# Altium PCB RelayTesterggf.PcbDoc (part 1 of 2) (continued)
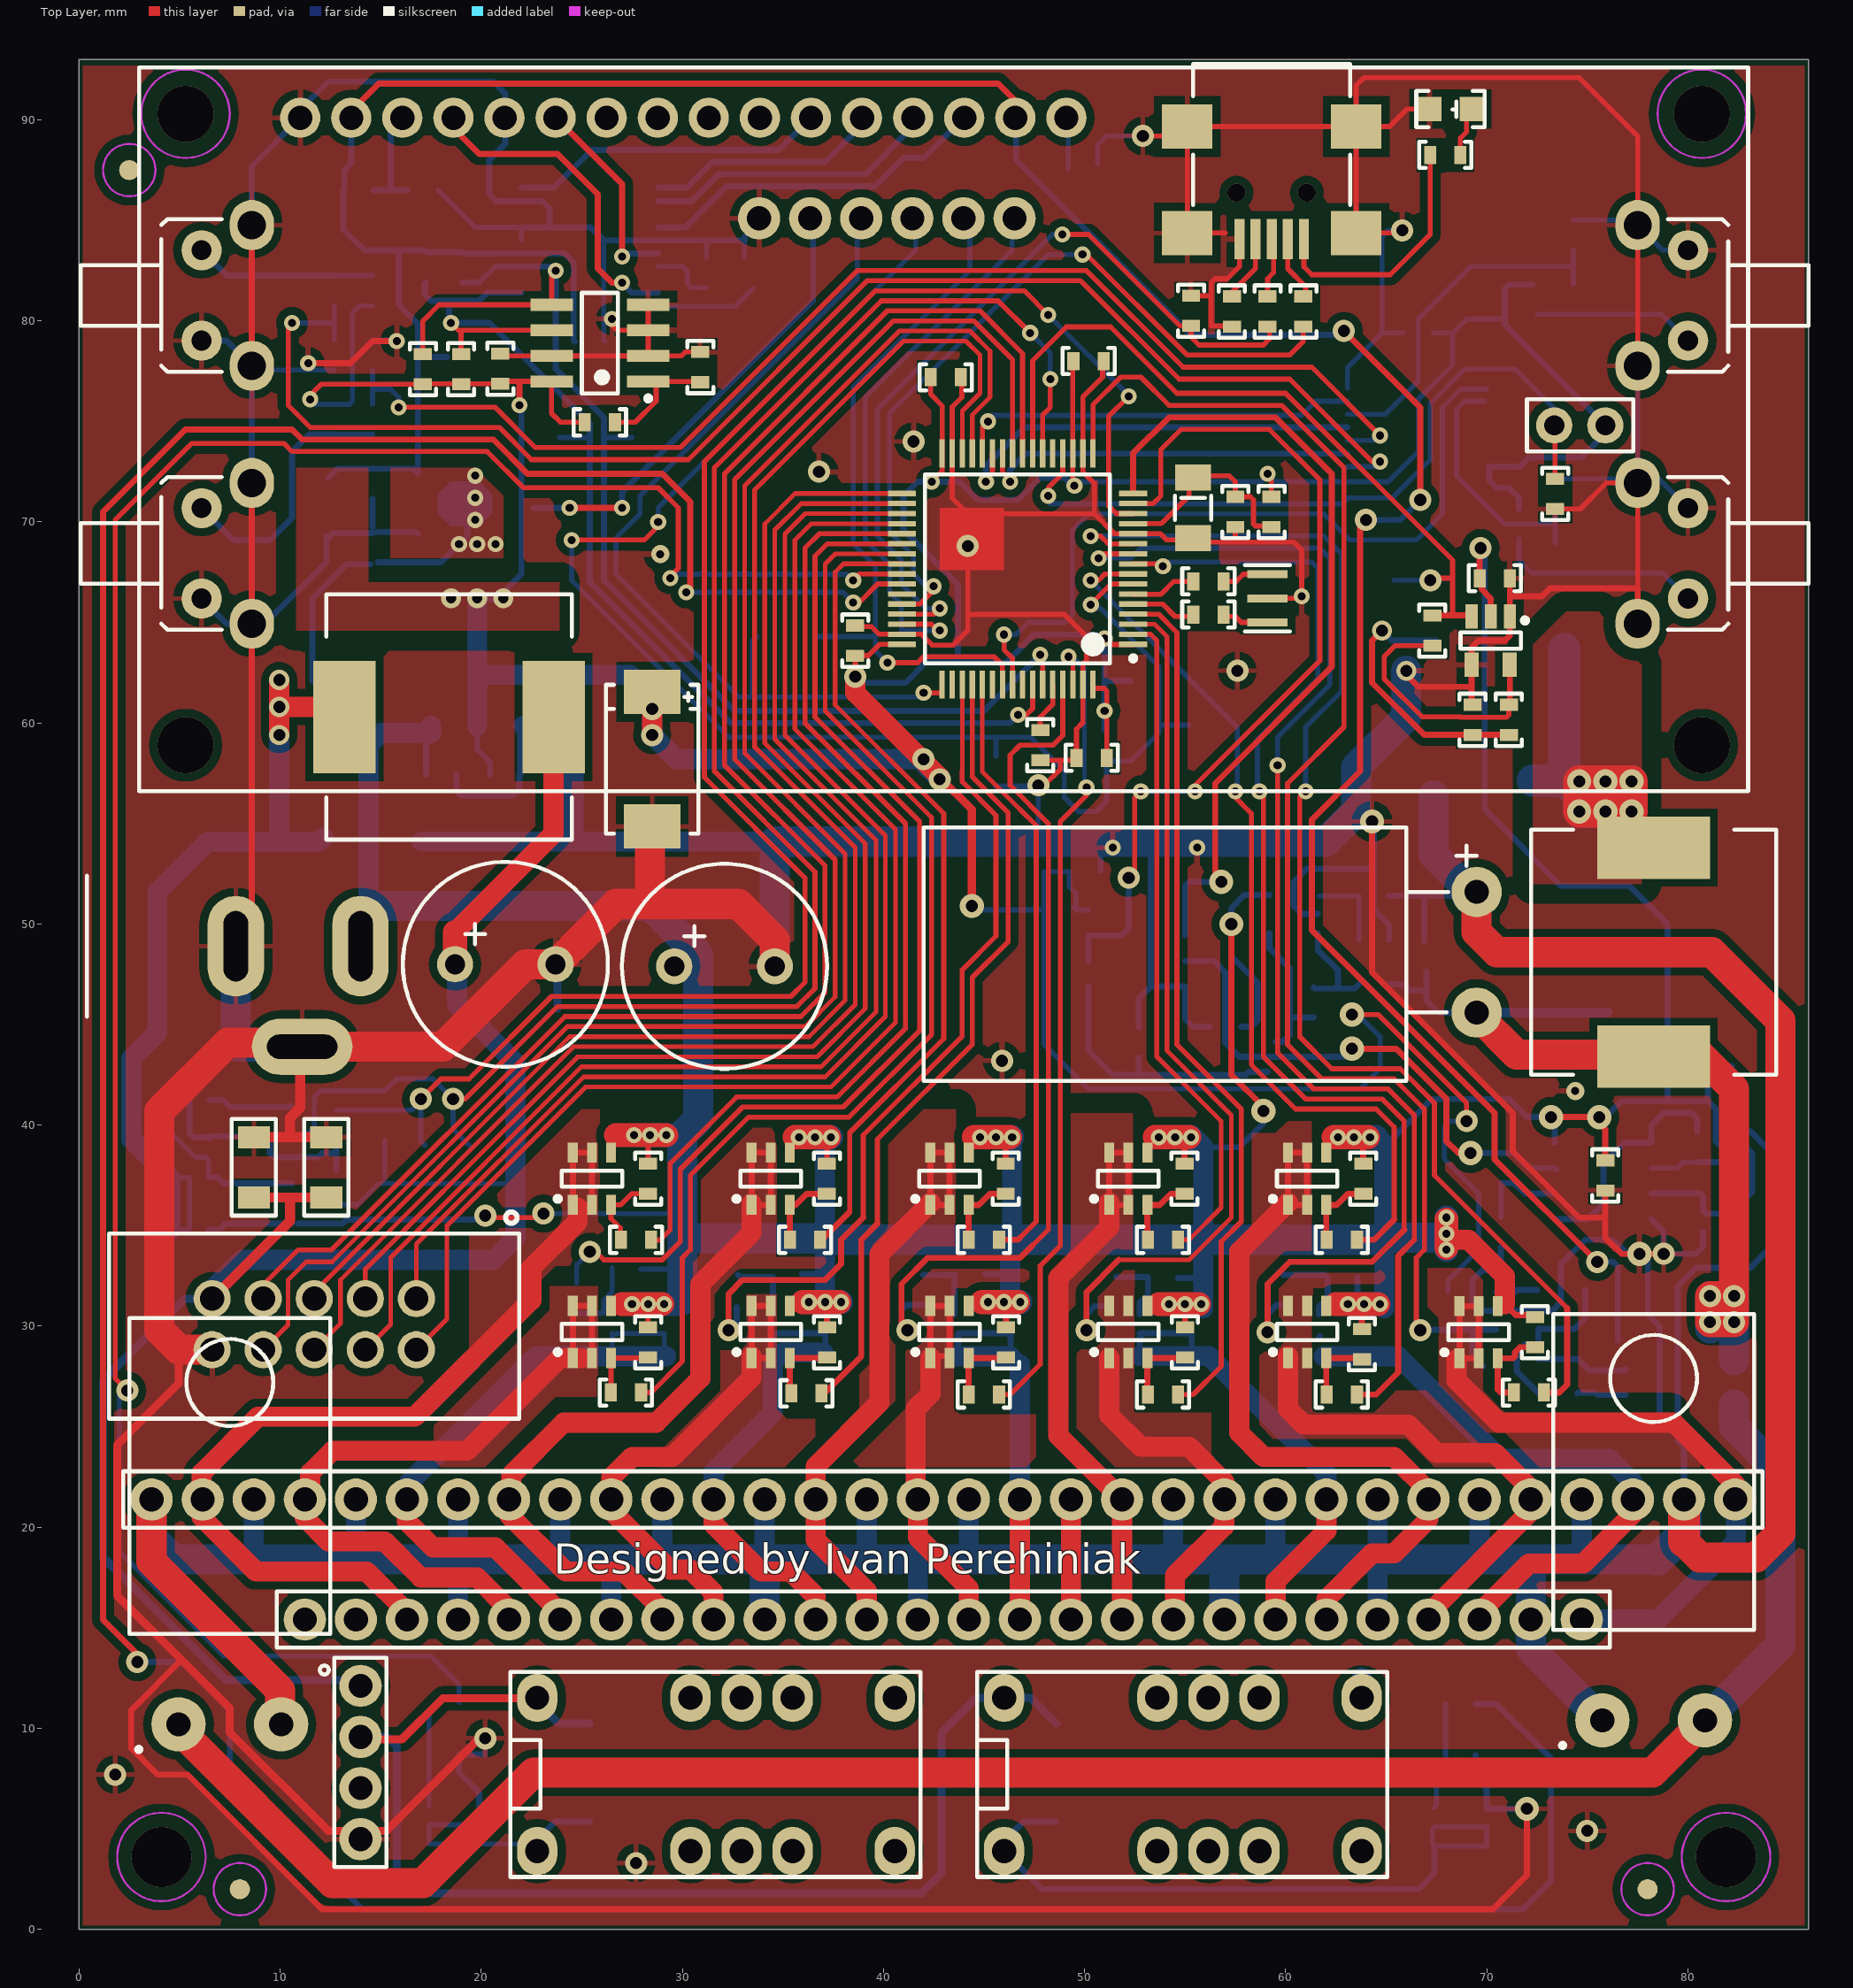
[diagram p0: Top Layer view]
## Footprints (in the part's own frame and the unit in brackets; to place one, negate y for a bottom-side part, rotate by r counter-clockwise, add the part's x,y. Pads: shape width x height; smd on the part's side, far side on the other; paste and mask are expansions set on the pad) (continued)
CSTCE_V [mm]
  rect 0.4x2 smd: 1(-1.2,0) 2(0,0) 3(1.2,0)
  silkscreen extent -1.65,-1.13 1.65,1.13, body extent -1.6,-0.67 1.6,0.63, height 1.02
DISPLAY1602 [mm]
  round 2 hole 1.2: 1(-32,15.5) 2(-29.46,15.5) 3(-26.92,15.5) 4(-24.38,15.5) 5(-21.84,15.5) 6(-19.3,15.5) 7(-16.76,15.5) 8(-14.22,15.5) 9(-11.68,15.5) 10(-9.14,15.5) 11(-6.6,15.5) 12(-4.06,15.5) 13(-1.52,15.5) 14(1.02,15.5) 15(3.56,15.5) 16(6.1,15.5)
  silkscreen extent -40,-18 40,18, body extent -40.1,-18.02 40.15,17.98, height 18.4
L0603 [mm]
  rect 0.6x0.9 smd: 1(-0.75,0) 2(0.75,0)
  silkscreen extent -1.3,-0.65 1.3,0.65, body extent -0.8,-0.4 0.8,0.4, height 0.8
LED0805 [mm]
  rect 1.2x1.2 smd: 1(-1.05,0) 2(1.05,0)
  silkscreen extent -1.7,-0.9 1.7,0.9, body extent -1,-0.62 1,0.63, height 0.64
MiniUSB [mm]
  rect 0.5x2 smd: 1(-1.6,3.8) 2(-0.8,3.8) 3(0,3.8) 4(0.8,3.8) 5(1.6,3.8)
  rect 2.5x2.2 smd: 5(-4.2,3.5) 5(-4.2,-1.8) 5(4.2,3.5) 5(4.2,-1.8)
  silkscreen extent -3.9,-4.9 3.9,2.1, body extent -4.95,-4.9 4.95,4.1, height 4.7
PLD10-2 [mm]
  round 1.85 hole 1.2: 1(-5.08,-1.27) 2(-5.08,1.27) 3(-2.54,-1.27) 4(-2.54,1.27) 5(0,-1.27) 6(0,1.27) 7(2.54,-1.27) 8(2.54,1.27) 9(5.08,-1.27) 10(5.08,1.27)
  silkscreen extent -10.2,-5.58 10.2,4.7, body extent -10.15,-4.4 10.15,4.7, height 10.6
PLS-2 [mm]
  round 1.8 hole 1 paste+0: 1(-2.54,0) 2(0,0)
  silkscreen extent -3.9,-1.3 1.4,1.3, body extent -3.84,-1.27 1.24,1.27, height 8.7
PLS-4 [mm]
  round 2.1 hole 1.2: 1(-3.81,0) 2(-1.27,0) 3(1.27,0) 4(3.81,0)
  silkscreen extent -5.2,-2.02 5.2,1.3, body extent -5.08,-1.27 5.08,1.27, height 8.7
PLS-6 [mm]
  round 2.1 hole 1.2: 1(-7.62,0) 2(-5.08,0) 3(-2.54,0) 4(0,0) 5(2.54,0) 6(5.08,0)
  silkscreen extent -9,-2.22 6.5,1.3, body extent -8.83,-1.27 6.4,1.29, height 8.7
PLS-26female [mm]
  round 2.1 hole 1.2: 1(0,0) 2(2.54,0) 3(5.08,0) 4(7.62,0) 5(10.16,0) 6(12.7,0) 7(15.24,0) 8(17.78,0) 9(20.32,0) 10(22.86,0) 11(25.4,0) 12(27.94,0) 13(30.48,0) 14(33.02,0) 15(35.56,0) 16(38.1,0) 17(40.64,0) 18(43.18,0) 19(45.72,0) 20(48.26,0) 21(50.8,0) 22(53.34,0) 23(55.88,0) 24(58.42,0) 25(60.96,0) 26(63.5,0)
  silkscreen extent -1.4,-1.4 64.9,1.4, body extent -1.27,-1.27 64.77,1.27, height 3.4
PLS-32female [mm]
  round 2.1 hole 1.2: 1(0,0) 2(2.54,0) 3(5.08,0) 4(7.62,0) 5(10.16,0) 6(12.7,0) 7(15.24,0) 8(17.78,0) 9(20.32,0) 10(22.86,0) 11(25.4,0) 12(27.94,0) 13(30.48,0) 14(33.02,0) 15(35.56,0) 16(38.1,0) 17(40.64,0) 18(43.18,0) 19(45.72,0) 20(48.26,0) 21(50.8,0) 22(53.34,0) 23(55.88,0) 24(58.42,0) 25(60.96,0) 26(63.5,0) 27(66.04,0) 28(68.58,0) 29(71.12,0) 30(73.66,0) 31(76.2,0) 32(78.74,0)
  silkscreen extent -1.4,-1.4 80.1,1.4, body extent -1.27,-1.27 80.01,1.27, height 3.4
PowerJack5.5x2.1 [mm]
  oval 2.8x5 hole 1.2 slot 3.5 at 90 deg: 1(0,0) 2(6.2,0)
  oval 5x2.8 hole 1.2 slot 3.5 at 0 deg: 1(3.3,-5)
  silkscreen extent -7.4,-3.5 -7.4,3.5, body extent -7.4,-5.3 7,4.1, height 11.05
R0603 [mm]
  rect 0.6x0.9 smd: 1(-0.75,0) 2(0.75,0)
  silkscreen extent -1.3,-0.65 1.3,0.65, body extent -0.8,-0.4 0.8,0.4, height 0.45
R0805 [mm]
  rect 0.8x1.3 smd: 1(-1,0) 2(1,0)
  silkscreen extent -1.7,-0.9 1.7,0.9, body extent -1,-0.63 1,0.62, height 0.6
R1206 [mm]
  rect 1.1x1.6 smd: 1(-1.5,0) 2(1.5,0)
  silkscreen extent -2.4,-1.1 2.4,1.1, body extent -1.6,-0.8 1.6,0.8, height 0.6
RelaySocket16Pin [mm]
  oval 2x2.4 hole 1.2 unplated: 1(-10.16,-3.81) 2(-2.54,-3.81) 3(0,-3.81) 4(2.54,-3.81) 5(7.62,-3.81) 6(7.62,3.81) 7(2.54,3.81) 8(0,3.81) 9(-2.54,3.81) 10(-10.16,3.81)
  silkscreen extent -11.5,-5.1 8.9,5.1, body extent -11.46,-5.06 8.86,5.1, height 4.19
SMA [mm] "4007 diode(in SMD pack)"
  rect 2x2.3 smd: 1(-2.44,0) 2(2.44,0)
  silkscreen extent -1,-1.3 1,1.3, body extent -2.8,-1.47 2.8,1.48, height 2.7
SOD323 [mm] "diode(in SMD pack)"
  rect 0.65x0.45 smd: 1(-1.2,0) 2(1.2,0)
  silkscreen extent -0.8,-0.7 0.9,0.7, body extent -1.3,-0.67 1.3,0.68, height 1.1
SOIC_N [mm] "SOIC, 8-Leads, Body 4.9x3.9mm, Pitch 1.27mm, IPC Medium Density"
  rect 2.1x0.6 smd: 1(-2.4,1.905) 2(-2.4,0.635) 3(-2.4,-0.635) 4(-2.4,-1.905) 5(2.4,-1.905) 6(2.4,-0.635) 7(2.4,0.635) 8(2.4,1.905)
  silkscreen extent -2.53,-2.5 0.9,2.88, body extent -2.9,-2.4 2.9,2.4, height 1.75
SOT23-5 [mm] "SOT23, 5-Leads, Body 2,90x2,85mm, Pitch 0,95mm, IPC Medium Density"
  rect 1.2x0.6 smd: 1(-1.2,0.95) 2(-1.2,0) 3(-1.2,-0.95)
  rect 1.2x0.7 smd: 4(1.2,-0.95) 5(1.2,0.95)
  silkscreen extent -1.13,-1.5 0.4,1.82, body extent -1.5,-1.5 1.5,1.5, height 1.2
"SOT23-6 - MOSFET" [mm] "SOT23, 6-Leads, Body 2,90x2,85mm, Pitch 0,95mm, IPC Medium Density"
  rect 1x0.5 smd: 1(-1.3,-0.95) 2(-1.3,0) 2(-1.3,0.95) 2(1.3,0) 2(1.3,0.95) 3(1.3,-0.95)
  silkscreen extent -1.12,-1.5 0.4,1.82, body extent -1.21,-1.4 1.21,1.4, height 1.09
"SOT23-6 - mosfet" [mm] "SOT23, 6-Leads, Body 2,90x2,85mm, Pitch 0,95mm, IPC Medium Density"
  rect 1x0.5 smd: 1(-1.3,-0.95) 2(-1.3,0) 2(-1.3,0.95) 2(1.3,0) 2(1.3,0.95) 3(1.3,-0.95)
  silkscreen extent -1.12,-1.5 0.4,1.82, body extent -1.21,-1.4 1.21,1.4, height 1.09
SOT89-3 [mm] "SOT89, 3-Leads, Body 4,50x2,50mm, Pitch 1,50mm, Lead Span 3,6mm, IPC Medium Density"
  rect 2x0.9 smd: 1(-1.35,1.5) 3(-1.35,-1.5)
  rect 2x0.96 smd: 2(-1.35,0)
  Top Layer region: -0.35,0.48 0.285,1.115 1.715,1.115 2.35,0.48 2.35,-0.48 1.715,-1.115 0.285,-1.115 -0.35,-0.48
  silkscreen extent -1.58,-2.35 1.9,2.62, body extent -1.85,-2.35 2.15,2.35, height 1.6
SOT-23 [mm]
  rect 0.8x0.9 smd: 1(-0.95,-1) 2(0.95,-1) 3(0,1)
  silkscreen extent -1.6,-0.8 1.6,0.6, body extent -1.5,-1.35 1.5,1.15, height 1.1
SOT-223 [mm]
  rect 1.5x2 smd: 1(-2.3,-3.15) 2(0,-3.15) 3(2.3,-3.15)
  rect 3.8x2 smd: 2(0,3.15)
  silkscreen extent -3.3,-1.8 3.3,1.8, body extent -3.25,-3.58 3.25,3.38, height 1.65
SSOP14 [mm] "SOP, 14-Leads, Body 6,20x5,30mm, Pitch 0,65mm, IPC Medium Density"
  rect 1.65x0.4 smd: 1(-3.525,1.95) 2(-3.525,1.3) 3(-3.525,0.65) 4(-3.525,0) 5(-3.525,-0.65) 6(-3.525,-1.3) 7(-3.525,-1.95) 8(3.525,-1.95) 9(3.525,-1.3) 10(3.525,-0.65) 11(3.525,0) 12(3.525,0.65) 13(3.525,1.3) 14(3.525,1.95)
  silkscreen extent -3.65,-3.2 2.3,3.2, body extent -3.88,-3.2 3.88,3.2, height 2
SSOP-20N [mm] "TSOP, 20-Leads, Body 6,50x4,40mm, Pitch 0,65mm, IPC Medium Density"
  rect 1.6x0.43 smd: 1(-3.4,2.95) 10(-3.4,-2.95) 11(3.4,-2.95) 20(3.4,2.95)
  rect 1.6x0.38 smd: 2(-3.4,2.275) 3(-3.4,1.625) 4(-3.4,0.975) 5(-3.4,0.325) 6(-3.4,-0.325) 7(-3.4,-0.975) 8(-3.4,-1.625) 9(-3.4,-2.275) 12(3.4,-2.275) 13(3.4,-1.625) 14(3.4,-0.975) 15(3.4,-0.325) 16(3.4,0.325) 17(3.4,0.975) 18(3.4,1.625) 19(3.4,2.275)
  silkscreen extent -3.07,-3.3 1.85,3.82, body extent -3.2,-3.3 3.2,3.3, height 1.5
STM-LQFP64_V [mm] "Thin QFP, 64-Leads, Body 10x10mm, Pitch 0.5mm, ST Recommended"
  rect 1.4x0.27 smd: 1(-5.75,3.75) 2(-5.75,3.25) 3(-5.75,2.75) 4(-5.75,2.25) 5(-5.75,1.75) 6(-5.75,1.25) 7(-5.75,0.75) 8(-5.75,0.25) 9(-5.75,-0.25) 10(-5.75,-0.75) 11(-5.75,-1.25) 12(-5.75,-1.75) 13(-5.75,-2.25) 14(-5.75,-2.75) 15(-5.75,-3.25) 16(-5.75,-3.75) 33(5.75,-3.75) 34(5.75,-3.25) 35(5.75,-2.75) 36(5.75,-2.25) 37(5.75,-1.75) 38(5.75,-1.25) 39(5.75,-0.75) 40(5.75,-0.25) 41(5.75,0.25) 42(5.75,0.75) 43(5.75,1.25) 44(5.75,1.75) 45(5.75,2.25) 46(5.75,2.75) 47(5.75,3.25) 48(5.75,3.75)
  rect 0.27x1.4 smd: 17(-3.75,-5.75) 18(-3.25,-5.75) 19(-2.75,-5.75) 20(-2.25,-5.75) 21(-1.75,-5.75) 22(-1.25,-5.75) 23(-0.75,-5.75) 24(-0.25,-5.75) 25(0.25,-5.75) 26(0.75,-5.75) 27(1.25,-5.75) 28(1.75,-5.75) 29(2.25,-5.75) 30(2.75,-5.75) 31(3.25,-5.75) 32(3.75,-5.75) 49(3.75,5.75) 50(3.25,5.75) 51(2.75,5.75) 52(2.25,5.75) 53(1.75,5.75) 54(1.25,5.75) 55(0.75,5.75) 56(0.25,5.75) 57(-0.25,5.75) 58(-0.75,5.75) 59(-1.25,5.75) 60(-1.75,5.75) 61(-2.25,5.75) 62(-2.75,5.75) 63(-3.25,5.75) 64(-3.75,5.75)
  silkscreen extent -5.87,-4.7 4.6,4.7, body extent -6.07,-6.07 6.07,6.07, height 1.62
SW_TACT_HOR [mm]
  oval 2.2x2.5 hole 1.4: 1(2.5,3.5) 3(2.5,-3.5)
  round 2 hole 1: 2(0,2.25) 4(0,-2.25)
  silkscreen extent -6,-3.8 1,3.8, body extent -8.37,-4.18 4.1,4.18, height 7.37
TO-220-2-hor [mm] "TO-220, 3x0.8 , P-2.54"
  round 2.7 hole 1.2: 1(-2.55,0) 2(2.55,0)
  silkscreen extent -5,-1.35 5,20.2, body extent -5,-0.4 5,20.2, height 1.22

## Part data
C1 C2 C3 C4 C5 C6 C7 C10 C12 C13 C14 C17 C18 C19 C20 C21 C22 C24 C25 C26 C28 C30 C31: library part GMK316F475ZG-T, "CAP CER 0.1UF 50V X7R 0603"
C8: library part EEU-FC1V221L, "CAP ALUM 220UF 20% 35V RADIAL"
C9 C27: library part T491A475K010AT, "CAP TANT 4.7UF 10V 10% 1206"
C11: library part CE-1000/16PHT-Y, "CAP ALUM 1000UF 20% 16V RADIAL"
C15: library part TAJD476K025RNJ, "CAP TANT 47UF 25V 10% 2917"
C16: library part UVR1C332MHD, "CAP ALUM 3300UF 20% 16V RADIAL"
C23 C29: library part CL10B202KB8NNNC, "CAP CER 2000PF 50V X7R 0603"
C32: library part GRM188R71E105KA12D, "CAP CER 1UF 25V X7R 0603"
D1 D2: "DIODE SCHOTTKY 5A 40V SMA"
D3 D4: library part ES1J-LTP, "DIODE GEN PURP 600V 1A DO214AC"
D5: library part 1N4148WX-TP, "DIODE GEN PURP 75V 150MA SOD323"
DA1 DA3: library part LM358DT, "Dual IC OPAMP GP 1.1MHZ 8SO"
DA2: library part LMV321ILT, "IC OPAMP GP 1.3MHZ RRO SOT23-5"
DA4: "IC OPAMP GP 1.3MHZ RRO SOT23-5"
IC1: library part MCP1416T-E/OT, "IC MOSFET DVR 1.5A HS SOT23-5"
IC3: library part NCP1117ST33T3G, "IC REG LINEAR 3.3V 1A SOT223"
IC4: library part M24C32-WMN6TP, "IC EEPROM 32KBIT 400KHZ 8SO"
IC5: library part MC74HC14ADR2G, "IC INVERTER HEX SCHMITT 14SOIC"
IC6: library part PCF8574APWR, "IC I/O EXPANDER I2C 8B 20TSSOP"
IC7: library part KA79L05AMTF, "IC REG LINEAR -5V 100MA SOT89-3"
IC8: library part ACS712ELCTR-05B, "SENSOR CURRENT HALL 5A AC/DC"
L1: library part BLM18TG601TN1D, "FERRITE BEAD 600 OHM 0603 1LN"
L2: library part DE1207-470, "FIXED IND 470UH 1A 741 MOHM SMD"
L3: library part DE1209-22, "FIXED IND 22UH 5A 39 MOHM SMD"
LCD1: library part Display1602, "DISP 1602 THT"
LED1: library part "LG R971-KN-1", "LED GREEN DIFFUSED 0805 SMD"
Q1: library part CSTCE8M00G55Z-R0, "CER RES 8.0000MHZ 33PF SMD"
R1 R62 R81: library part ERJ-3GEYJ102V, "RES SMD 1K OHM 5% 1/10W 0603"
R2 R13 R14 R80 R82: library part CRCW060310K0FKTABC, "RES SMD 10K OHM 1% 1/10W 0603"
R3 R4 R7: library part CRCW060322R0FKEA, "RES SMD 22 OHM 1% 1/10W 0603"
R5 R9 R10 R12 R26 R27 R28 R29 R40 R41 R42 R43 R44 R45 R46 R47 R48 R49 R50 R51 R56 R57 R58 R59 R68 R69 R70 R71 R77 R78 R83 R84 R85 R86: library part ERJ-S03J104V, "RES SMD 100K OHM 5% 1/10W 0603"
R6: library part CRCW06031K50JNTABC, "RES SMD 1K5 OHM 5% 1/10W 0603"
R8 R89: library part ERJ-S03J101V, "RES SMD 100 OHM 5% 1/10W 0603"
R11 R16 R20 R21 R31 R32 R33 R34 R60 R61 R72 R73 R90: library part ERJ-S03J103V, "RES SMD 10K OHM 5% 1/10W 0603"
R15 R17: library part CRCW06033K30FKTABC, "RES SMD 3.3K OHM 1% 1/10W 0603"
R18: library part CRCW06030000Z0EA, "RES SMD 0 OHM JUMPER 1/10W 0603"
R19: library part ERJ-3GEYJ221V, "RES SMD 220 OHM 5% 1/10W 0603"
R22 R23 R24 R25 R36 R37 R38 R39 R52 R53 R54 R55 R64 R65 R66 R67 R75 R76: library part RC0603JR-07150RL, "RES SMD 150 OHM 5% 1/10W 0603"
R30 R35: library part RTO050F4R700JTE3, "RES 4.7 OHM 50W 5% AXIAL"
R63: library part ERA-3AEB203V, "RES SMD 20K OHM 0.1% 1/10W 0603"
R74: library part ERJ-3GEYJ511V, "RES SMD 510 OHM 5% 1/10W 0603"
R79: library part CRCW06032K00FKTABC, "RES SMD 2K OHM 1% 1/10W 0603"
R87 R88: library part CRCW08051K50FKTABC, "RES SMD 1.5K OHM 1% 1/8W 0805"
R91 R92 R93 R94: library part ERJ-8GEYJ102V, "RES SMD 1K OHM 5% 1/4W 1206"
S1 S2 S3 S4: "SWITCH TACTILE HOR SPST-NO 0.05A 12V"
T1: "MOSFET N-CH 30V 11A 8-SOIC"
T2: library part IRLML2402TRPBF, "MOSFET N-CH 20V 1.2A SOT-23"
T3 T4 T5 T6 T7 T8 T9 T10 T11 T12 T13 T14 T15 T16 T17 T18 T19: library part BSL207SPH6327XTSA1, "MOSFET P-CH 20V 6A 6TSOP"
T20 T21: "MOSFET N-CH 30V 8.2A 6TSOP"
U1: "IC MCU 32BIT 256KB FLASH 64LQFP"
XT1: "CONN RECEPT MINI USB2.0 5POS"
XT2 XT3 XT7 XT8: "SIL VERTICAL PC TAIL PIN HEADER"
XT4 XT5: "REL SOCKET UNI 7.62x2.54 PITCH"
XT6: "DIL VERTICAL PC TAIL PIN HEADER"
XT9: "CONN HEADER 6POS .100 STR TIN"
XT10: "CONN HEADER 4POS .100 STR TIN"

## Free pads (board coordinates)
  round 1 smd paste+0 mask+0.5: 2(2.5,87.5) 2(8,2) 2(78,2)
  round 1 smd far side paste+0 mask+0.5: 2(2.5,87.5) 2(8,2) 2(78,2)
  round 1.6 smd far side: 2(5.7,54) 2(17.2,39) 2(18.3,78.2) 2(19.4,39) 2(22.6,70.7) 2(23.8,45.8) 2(23.9,74.2) 2(27.5,74.2) 2(33.7,64.3) 2(36.8,64.3) 2(45.9,68.8) 2(52.3,62.1) 2(53.9,56.6) 2(54.9,52.1) 2(55.2,59.9) 2(65.4,67.1) 2(69.8,28)
  round 1.4 smd far side: 2(40.9,64.4)

## Via types
v1: diameter 0.8, hole 0.4, Top Layer to Bottom Layer, tented both sides, 99 vias
v2: diameter 1.1, hole 0.6, Top Layer to Bottom Layer, tented both sides, 42 vias
v3: diameter 1.2, hole 0.6, Top Layer to Bottom Layer, tented both sides, 18 vias
v4: diameter 1, hole 0.6, Top Layer to Bottom Layer, tented both sides, 5 vias
v5: diameter 2.8, hole 2.8, Top Layer to Bottom Layer, 4 vias
v6: diameter 1, hole 0.5, Top Layer to Bottom Layer, 3 vias
v7: diameter 0.9, hole 0.9, Top Layer to Bottom Layer, 2 vias
v8: diameter 0.9, hole 0.4, Top Layer to Bottom Layer, tented both sides, 2 vias
v9: diameter 3, hole 3, Top Layer to Bottom Layer, tented both sides, 2 vias

## Nets (pads, with @x,y where several pads share a name; then routed paths per layer and width w, separated by ;. In a path a pad name is that pad's centre, name@x,y a point inside that pad or via, vN(x,y) a via of type N, cw(c..) or ccw(c..) an arc to the next point about the centre after c; other vN are vias at no path point)
+5V: C25.2 C26.2 C27.1 C28.2 IC6.5 IC7.3 IC8.8 LCD1.2 LCD1.15 pad.2@18.3,78.2 R60.2 R61.2 R80.2 | length 158.5
  Top Layer w0.3: LCD1.2@13.54,90.1 13.54,90.44 14.9,91.8 45.7,91.8 46.6,90.9 46.6,90.14 LCD1.15@46.56,90.1 ; v2(62.9,79.5) 66.7,75.7 v2(66.7,71.1) ; v2@64.1,70.4 63.7,70 63.7,57.6 61.3,55.2 61.3,49.7 70.4,40.6 70.4,38.3 v2(75.5,33.2)
  Bottom Layer w0.3: C27.1@12.4,72.2 12.85,72.65 C25.2@14.6,72.65 16.6,72.65 IC7.3@16.85,72.4 16.85,78.2 ; LCD1.2@13.54,90.1 13.54,87.84 13.2,87.5 13.2,86.55 R80.2@13.15,86.5 13.15,84.55 14.2,83.5 16,83.5 ; pad.2@18.3,78.2 16.85,78.2 ; C26.2@24.65,78.979 24.6,79.029 24.6,82.9 24.147,83.353 IC6.5@22,83.353 19.109,83.353 R61.2@19.05,83.412 R60.2@17.272,83.412 17.184,83.5 16,83.5 ; LCD1.15@46.6,89.7 46.6,88 55.3,79.3 v2@63,79.3 ; v2(64,70.1) 65.7,70.1 v2(66.7,71.1) ; v2(75.5,33.2) 76.3,33.2 76.52,32.98 C28.2@76.52,31.785 IC8.8@76.52,29.3 ; 16,83.5 15.9,83.4 15.9,80.8 16.85,79.85 16.85,78.2
BUT1: IC5.2 U1.26 | length 19.3
  Top Layer w0.25: U1.26@45.921,73.414 45.921,72.479 46.3,72.1 v1(46.3,72)
  Bottom Layer w0.3: v1(46.3,72) 46.3,72.6 47.1,73.4 IC5.2@63.075,73.4
BUT2: IC5.4 U1.27 | length 21.1
  Top Layer w0.25: v1(45.1,72) 45.1,72.1 45.421,72.421 U1.27@45.421,73.414
  Bottom Layer w0.3: v1(45.1,72) 45.1,72.8 47,74.7 IC5.4@63.075,74.7
BUT3: IC5.6 U1.28 | length 19.9
  Top Layer w0.25: U1.28@44.921,73.414 44.921,74.721 v1(45.2,75)
  Bottom Layer w0.25: v1@45.2,75.1 45.4,75.3 60.8,75.3 61.5,76 IC5.6@63.075,76
BUT4: IC5.8 U1.56 | length 38.4
  Top Layer w0.25: v1(46,64.4) 46,63.642 46.421,63.221 U1.56@46.421,61.914
  Bottom Layer w0.25: v1(46,64.4) 46.6,64.4 47.2,65 49,65 49.4,65.4 49.4,69.6 50.2,70.4 61.9,70.4 63.2,69.1 66.5,69.1 67.8,70.4 67.8,75.7 68.7,76.6 IC5.8@70,76.6
COILSUPPLY: C11.1 C14.2 L2.2 R13.1 R91.2 R92.2 XT6.9 XT10.1 | length 99
  Top Layer w0.5: XT6.9@6.62,31.37 10.5,35.25 10.5,36.4 ; R92.2@8.7,36.4 10.5,36.4 ; R91.2@12.3,36.4 10.5,36.4
  Top Layer w1: 18.7,49.6 23.6,54.5 L2.2@23.6,60.3
  Top Layer w1.2: C11.1@18.7,48 18.7,49.6
  Bottom Layer w0.25: C14.2@12.8,36.05 13.85,36.05 14.9,37.1 15.2,37.1 ; R13.1@15.2,39.25 15.2,37.1 ; 21.7,37.1 15.2,37.1
  Bottom Layer w0.3: XT10.1@14,12.4 XT10.1@14.4,12
  Bottom Layer w0.4: XT6.9@6.62,31.37 5.27,31.37 1.2,27.3 1.2,18.5 7.3,12.4 XT10.1@14,12.4
  Bottom Layer w1: XT6.9@6.62,31.37 6.62,31.82 8.1,33.3 20.6,33.3 21.7,34.4 21.7,37.1 21.7,43.1 18.8,46 C11.1@18.8,47.8
COILSUPPLY1: D3.2 D4.2 XT4.10 XT5.10 XT10.2 | length 63.9
  Top Layer w0.3: XT10.2@14,9.57 XT10.2@14.12,9.45 ; XT4.10@22.77,11.5 XT4.10@22.787,11.517
  Top Layer w0.4: XT10.2@14.12,9.45 16.05,9.45 18.1,11.5 XT4.10@22.77,11.5
  Bottom Layer w0.3: XT4.10@22.213,10.943 XT4.10@22.787,11.517 XT4.10@22.787,11.313
  Bottom Layer w0.4: XT10.2@14,9.57 15.33,9.57 15.8,9.1 15.8,2.8 16.8,1.8 41.9,1.8 42.9,2.8 42.9,9.8 44.617,11.517 XT5.10@46.003,11.517 47.323,11.517 D4.2@48.6,10.24 ; XT4.10@22.787,11.313 23.86,10.24 D3.2@25.4,10.24
COILVOLTMEAS: pad.2@17.2,39 R13.2 R15.2 U1.14 | length 90.4
  Top Layer w0.25: v2(17,41.3) 18,42.3 19.4,42.3 23.5,46.4 35.4,46.4 36.1,47.1 36.1,52.3 31.1,57.3 31.1,73 39.6,81.5 47,81.5 v1(48.2,80.3) ; v1(52.2,76.25) 51.2,75.25 51.2,70.8 51.586,70.414 U1.14@52.421,70.414
  Bottom Layer w0.25: R15.2@12.8,40.75 R13.2@15.2,40.75 16.55,40.75 v2@17,41.2 ; v2(17,41.3) v2@17,41.2 ; pad.2@17.2,39 17,39.2 v2@17,41.2 ; v1(48.2,80.3) 52.2,76.3 v1(52.2,76.25) v1@52.2,76.2
CURRENTMEAS1: DA3.1 DA3.2 pad.2@54.9,52.1 U1.16 | length 40.5
  Top Layer w0.3: U1.16@52.421,71.5 52.421,73.421 54.2,75.2 59.5,75.2 62.3,72.4 62.3,62.8 56.5,57 56.5,52.4 v3(56.8,52.1)
  Bottom Layer w0.3: DA3.2@55,49.435 DA3.1@55,50.705 55,51.9 55.2,52.1 v3@56.4,52.1
CURRENTMEAS2: DA2.3 DA2.4 pad.2@69.8,28 U1.17 | length 72.4
  Top Layer w0.25: U1.17@50.421,73.414 50.421,75.821 51.8,77.2 52.8,77.2 54.2,75.8 59.8,75.8 62.9,72.7 62.9,59.8 60.1,57 60.1,44 61.8,42.3 65.4,42.3 66.9,40.8 66.9,33.8 66.5,33.4 66.5,30 v2(66.7,29.8)
  Bottom Layer w0.3: v2(66.7,29.8) 66.719,29.819 DA2.4@68.069,29.819 69.3,29.819 ; pad.2@69.8,28 69.3,28.5 69.3,29.819 ; DA2.3@70.469,29.819 69.3,29.819
GND: C1.2 C2.1 C3.1 C4.1 C5.1 C6.1 C7.1 C8.2 C9.2 C10.1 C11.2 C12.1 C14.1 C15.2 C17.1 C18.1 C19.1 C20.1 C21.1 C22.1 C24.1 C25.1 C26.1 C27.2 C28.1 C29.1 C30.1 C31.1 C32.2 D1.1 DA1.4 DA2.2 DA3.4 DA4.2 IC1.1 IC1.4 IC3.1 IC4.2 IC4.3 IC4.4 IC4.7 IC5.7 IC6.6 IC6.7 IC6.9 IC6.15 IC7.1 IC8.5 LCD1.1 LCD1.5 LED1.2 pad.2@23.8,45.8 pad.2@45.9,68.8 Q1.2 R2.1 R5.2 R6.1 R9.1 R10.2 R11.1 R15.1 R16.2 R17.1 R51.2 R62.1 R72.1 R73.1 R74.2 R77.2 R78.2 R81.1 R82.1 R86.2 R91.1 R92.1 S1.1 S1.3 S1.4 S2.1 S2.3 S2.4 S3.1 S3.3 S3.4 S4.1 S4.3 S4.4 T1.1 T1.2 T1.3 T2.2 T20.3 T21.3 U1.12 U1.18 U1.31 U1.47 U1.63 XT1.5 XT3.1 XT6.10 XT9.6 XT10.4 | length 735.2
  Top Layer w0.25: C17.1@20.952,78.375 21.067,78.26 IC4.7@23.505,78.26 IC4.2@28.305,78.26 ; v1(26.5,80.1) 26.5,79.8 26.77,79.53 IC4.3@28.305,79.53 ; IC4.4@28.305,80.8 IC4.3@28.305,79.53 ; R11.1@30.9,78.45 30.15,78.45 29.96,78.26 IC4.2@28.305,78.26 ; C4.1@38.6,64.8 39.4,64.8 39.786,64.414 U1.47@40.921,64.414 41.886,64.414 42.425,63.875 43.475,63.875 44.2,64.6 44.2,65.4 ; C6.1@43.85,77.2 43.9,77.15 43.9,76.2 43.421,75.721 U1.31@43.421,73.414 43.421,71.179 44.2,70.4 ; v2(47.7,56.9) 48,56.9 48.8,57.7 48.8,58.15 ; R16.2@47.8,58.15 48.8,58.15 ; C3.1@50.9,78 50.9,77.2 49.921,76.221 U1.18@49.921,73.414 49.921,72.479 50.5,71.9 50.5,70.4 ; v2(52.9,89.2) XT1.5@55.109,89.2 ; R6.1@55.3,81.25 56.25,81.25 56.3,81.3 ; C9.2@55.8,69.6 C9.2@55.4,69.2 ; 57,84.369 XT1.5@55.109,84.369 XT1.5@55.109,89.2 ; R5.2@57.4,79.645 R5.2@57.327,79.718 57.295,79.75 56.3,79.75 56.3,81.3 ; C7.1@57.5,69.75 57.5,69 ; XT1.5@57.709,84.069 57.709,82.709 57.1,82.1 56.5,82.1 56.3,81.9 56.3,81.3 ; Q1.2@59.1,66.2 60.8,66.2 60.8,68.6 60.4,69 57.5,69 ; v2(65.8,84.5) 65.669,84.369 XT1.5@63.509,84.369 XT1.5@63.509,89.669 ; LED1.2@67.149,90.536 66.036,90.536 65.169,89.669 XT1.5@63.509,89.669 ; R2.1@73.4,70.65 74.65,70.65 75.938,71.938 S4.3@77.51,71.938 S4.1@77.51,64.938 ; S3.1@77.51,77.765 S3.3@77.51,84.765 77.51,89.19 74.6,92.1 63.9,92.1 63.509,91.709 XT1.5@63.509,89.669 ; S4.4@80.01,70.688 S4.4@80.506,71.184 ; IC4.2@28.305,78.26 IC4.3@28.305,79.53 ; 44.2,65.4 49,65.4 50.1,64.3 50.1,63.1 49.921,62.921 U1.63@49.921,61.914 49.921,60.021 49.6,59.7 49.6,58.27 C5.1@49.604,58.266 49.488,58.15 48.8,58.15 ; 44.2,65.4 44.2,70.4 ; 44.2,70.4 50.5,70.4 ; 50.5,70.4 51.486,69.414 U1.12@52.421,69.414 53.786,69.414 54.1,69.1 55.3,69.1 C9.2@55.4,69.2 ; XT1.5@55.109,89.2 XT1.5@55.109,89.669 XT1.5@63.509,89.669 ; C9.2@55.4,69.2 55.6,69 57.5,69
  Top Layer w0.3: 5.1,13.4 2.6,10.9 2.6,9 3.9,7.7 5.4,7.7 12.1,1 70.3,1 72,2.7 v3(72,6) ; XT3.1@7.8,48.3 8.596,49.096 S2.3@8.596,64.938 S2.1@8.596,71.938 ; S1.3@8.596,77.765 S1.1@8.596,84.765 ; v1(11.4,77.9) 13.5,77.9 14.6,79 v1(15.8,79) ; v3(64.3,55.1) 64.3,47.6 71.3,40.6 71.3,38.7 74.6,35.4 75.9,35.4 ; v4@66,62.4 66.6,61.8 69.25,61.8 ; R9.1@69.3,60.91 69.25,60.96 69.25,61.8 ; C1.2@71.25,67.2 71.15,67.1 71.15,66.3 ; C30.1@75.9,36.75 75.9,35.4 ; S4.1@77.51,65.9 77.51,66.7 73.14,66.7 72.74,66.3 71.15,66.3 ; v2(78.8,33.6) 76.7,33.6 75.9,34.4 75.9,35.4 ; 69.25,61.8 69.25,63.75 69.6,64.1 70.9,64.1 71.15,64.35 IC1.1@71.15,65.3 71.15,66.3
  Top Layer w0.4: 4.97,28.83 4.97,27.17 1.9,24.1 1.9,16.6 5.1,13.4 7.5,11 7.5,9.8 12.4,4.9 15.3,4.9 v2@19.9,9.5
  Top Layer w0.5: R92.1@8.7,39.4 10.5,39.4 ; XT3.1@11.1,43.9 10.5,43.3 10.9,43.3 11,43.2 11,40.875 10.5,40.375 10.5,39.4 ; R91.1@12.3,39.4 10.5,39.4
  Top Layer w1.5: XT6.10@6.62,28.83 4.97,28.83 4,29.8 4,40.7 7.4,44.1 11.5,44.1 11.7,43.9 18.1,43.9 22.2,48 C11.2@23.7,48 26.7,51 28.4,51 ; C15.2@28.4,54.5 28.4,51 ; C8.2@34.6,48.1 34.6,49.2 32.8,51 28.4,51
  Bottom Layer w0.25: S1.3@8.596,77.765 8.811,77.55 C19.1@12.7,77.55 ; R81.1@17.85,86.5 19.697,84.653 IC6.7@22,84.653 IC6.6@22,84.003 ; C11.2@23.7,48 C11.2@23.8,47.9 ; 26.1,84.003 26.1,79.029 C26.1@26.15,78.979 ; R73.1@31.2,83.15 31.2,83.903 ; R72.1@33.097,83.177 33.097,84.003 ; v2(44.2,68.8) pad.2@45.9,68.8 ; v2(47.7,56.9) 47.7,54.4 48,54.1 ; R74.2@50.65,87.8 50.65,88.75 51.1,89.2 v2(52.9,89.2) ; IC5.7@63.075,76.65 63.075,77.675 64.8,79.4 ; v2(65.8,84.5) 65.1,84.5 64.8,84.2 64.8,79.4 ; C18.1@65.85,79.4 64.8,79.4 ; C22.1@73.406,72.136 77.312,72.136 S4.3@77.51,71.938 S3.1@77.51,77.765 ; C21.1@74.306,85.009 77.266,85.009 S3.3@77.51,84.765 78.76,83.515 S3.4@80.01,83.515 ; S4.3@78.589,72.109 S4.4@80.01,70.688
  Bottom Layer w0.3: S2.4@6.096,66.188 7.346,64.938 S2.3@8.596,64.938 9.238,64.938 12.3,68 12.3,69.3 C27.2@12.4,69.2 12.65,69.45 C24.1@14.6,69.45 ; S1.4@6.096,79.015 7.346,79.015 S1.3@8.596,77.765 S2.1@8.596,71.938 ; 7.5,43.9 5.5,41.9 5.5,39.6 5.7,39.4 6.45,39.4 T2.2@6.5,39.35 6.6,39.45 R10.2@8.3,39.45 9.15,39.45 9.5,39.1 9.5,38.6 9.7,38.4 11.9,38.4 12.1,38.6 12.8,38.6 ; XT3.1@7.8,48.3 XT3.1@8.596,49.096 ; S1.1@8.596,84.765 8.596,87.696 LCD1.1@11,90.1 11,90.5 12.4,91.9 20.6,91.9 21.2,91.3 21.2,90.14 LCD1.5@21.16,90.1 21.2,90.06 21.2,88.8 20.4,88 20.4,86.3 20.747,85.953 IC6.9@22,85.953 23.047,85.953 23.4,85.6 23.4,84.653 ; C14.1@12.8,37.75 12.8,38.6 ; R15.1@12.8,39.45 12.8,38.6 ; 14.6,69.75 C25.1@14.6,71.15 ; C20.1@14.6,79.033 15.767,79.033 v1(15.8,79) ; C24.1@14.8,69.5 16.75,69.5 IC7.1@16.85,69.4 ; C10.1@18.765,57.438 18.765,56.635 19,56.4 21.6,56.4 21.9,56.7 21.9,57.398 C12.1@21.94,57.438 21.94,59.69 IC3.1@22.1,59.85 ; T20.3@19.9,6.15 19.9,6.8 18.9,7.8 18.9,8.7 20.2,8.7 v2(20.2,9.5) ; IC6.7@22,84.653 23.4,84.653 ; XT9.6@34.02,85.1 33.097,84.177 33.097,84.003 IC6.15@28.8,84.003 26.1,84.003 25.45,84.653 23.4,84.653 ; C32.2@45.6,56.85 v2@47.65,56.85 ; C31.1@50.8,52.65 50.8,53.9 51,54.1 ; R17.1@52.7,44.85 52.7,46.3 53.295,46.895 DA3.4@55,46.895 55,45.3 55.4,44.9 C2.1@56.25,44.9 ; 53,54.1 53.3,53.8 53.3,46.9 ; DA4.2@61.6,50.5 60.8,50.5 60.4,50.9 60.4,52.1 61.05,52.75 64.4,52.75 ; v3(64.3,55.1) 64.4,55 64.4,52.75 ; R86.2@65.15,49.2 65.15,49.95 64.4,50.7 64.4,52.75 ; R78.2@69.451,8.669 69.451,7.549 70,7 70,6 v3(72,6) ; R62.1@70.71,33.939 70.7,33.929 70.7,33.1 70.4,32.8 69.8,32.8 69.3,32.3 69.3,31 69.531,30.769 DA2.2@70.469,30.769 73.269,30.769 73.7,31.2 73.7,33.1 74.9,34.3 76.3,34.3 77,33.6 v2(78.8,33.6) ; R82.1@72.6,25.15 72.65,25.2 75.4,25.2 75.508,25.308 IC8.5@76.902,25.308 78.408,25.308 78.6,25.5 78.6,30 78.02,30.58 C28.1@78.02,31.785 v3@78.02,33.5 ; DA1.4@78.19,35.324 78.8,34.714 v2(78.8,33.6) ; R51.2@80.75,34.7 80.75,33.95 80.4,33.6 v2(78.8,33.6)
  Bottom Layer w0.4: pad.2@23.8,45.8 C11.2@23.8,47.9
  Bottom Layer w1: D1.1@17.04,54.1 26.5,54.1 34.6,54.1 C8.2@34.6,47.9 ; IC3.1@22.1,59.85 23.95,59.85 24.6,59.2 24.6,54.4
  Bottom Layer w1.5: XT6.10@6.55,28.9 XT6.10@6.62,28.83 ; XT3.1@7.8,48.3 7.8,43.9 XT3.1@9.6,43.9 ; XT3.1@11.1,43.3 10.2,43.3 XT3.1@9.6,43.9 ; XT3.1@11.1,43.9 XT3.1@9.6,43.9 ; C8.2@34.6,47.9 34.6,54.1 48,54.1 51,54.1 53,54.1 62,54.1 63.5,55.6 63.5,57.8 66,60.3 v4(66,62.6)
  other v1: 51.4,53.8 55.6,53.8 60.8,66.3
  other v2: 27.7,3.3 75,4.9 1.8,7.7 45.9,43.2 57.6,62.6 36.8,72.5 41.5,74
  other v3: 77.6,33.6
  other v8: 74.4,41.7 28.9,68.4
I2C_SCL: IC4.6 IC6.2 pad.2@23.9,74.2 R20.1 R60.1 U1.58 | length 58
  Top Layer w0.25: v1(18.5,79.9) 18.87,79.53 19,79.53 ; R20.1@19,78.35 19,79.53 ; IC4.6@23.505,79.53 19,79.53 ; v1(46.7,60.4) 47.1,60.4 47.421,60.721 U1.58@47.421,61.914
  Bottom Layer w0.25: pad.2@23.9,74.2 25.4,74.2
  Bottom Layer w0.3: R60.1@17.272,81.912 17.2,81.84 17.2,81.3 17.5,81 18.4,81 ; IC6.2@22,81.403 20.303,81.403 19.9,81 18.4,81 ; v1(46.7,60.4) 46.3,60 32.4,60 25.4,67 25.4,74.2 25.4,74.9 20.4,79.9 v1(18.5,79.9) 18.4,80 18.4,81
I2C_SDA: IC4.5 IC6.4 pad.2@27.5,74.2 R21.1 R61.1 U1.59 | length 60
  Top Layer w0.25: R21.1@17.1,78.35 17.1,80 17.9,80.8 IC4.5@23.505,80.8 23.505,82.305 v1(23.7,82.5) ; v1(47.8,63.4) 47.921,63.279 U1.59@47.921,61.914
  Bottom Layer w0.25: 26.2,74.2 pad.2@27.5,74.2
  Bottom Layer w0.3: R61.1@19.05,81.912 19.912,81.912 20.703,82.703 IC6.4@22,82.703 23.497,82.703 v1(23.7,82.5) 23.7,77.6 26.1,75.2 26.1,67.1 32.6,60.6 45,60.6 47.6,63.2 v1@47.9,63.2
JTCK-SWCLK: pad.2@33.7,64.3 U1.49 XT9.4 | length 44.3
  Top Layer w0.25: v1(42,61.5) U1.49@42.9,61.5
  Bottom Layer w0.25: pad.2@33.7,64.3 33.5,64.1 33.5,61.3 ; XT9.4@38.7,84.8 38.7,82.1 27.9,71.3 27.9,70.4 26.7,69.2 26.7,67.4 32.8,61.3 33.5,61.3 ; v1(42,61.5) 41.8,61.3 33.5,61.3
JTDI: U1.50
JTDO-SWO: pad.2@36.8,64.3 U1.55 XT9.2 | length 34.6
  Top Layer w0.25: v1(40.2,63) 41.7,63 42,63.3 45.5,63.3 45.921,62.879 U1.55@45.921,61.914
  Bottom Layer w0.25: pad.2@36.8,64.3 39.6,64.3 ; v1(40.2,63) 39.6,63.6 39.6,67.8 38.5,68.9 38.5,76.7 44.3,82.5 XT9.2@44.3,84.7
JTMS-SWDIO: pad.2@40.9,64.4 U1.46 XT9.1 | length 28
  Top Layer w0.25: U1.46@40.921,64.914 42.386,64.914 42.7,64.6 v1(42.8,64.6)
  Bottom Layer w0.25: v1(42.8,64.6) 41.1,64.6 pad.2@40.9,64.4 40.9,65.9 40.3,66.5 40.3,67.9 39.1,69.1 39.1,76.2 46.4,83.5 XT9.1@46.4,84.6
MCPWM: IC1.3 pad.2@65.4,67.1 R89.1 U1.23 | length 38.6
  Top Layer w0.25: U1.23@47.421,73.414 47.421,78.021 49.1,79.7 51.3,79.7 54.6,76.4 60,76.4 68.3,68.1 68.3,67.2 ; v2(67.2,67.1) 67.3,67.2 68.3,67.2 ; 68.3,65.35 68.3,67.2
  Top Layer w0.3: R89.1@67.3,65.35 68.3,65.35 69.2,65.35 IC1.3@69.25,65.3
  Bottom Layer w0.25: pad.2@65.4,67.1 v2(67.2,67.1)
MCPWMCOIL: pad.2@19.4,39 R8.1 U1.22 | length 88.1
  Top Layer w0.25: v2(18.6,41.3) 19.2,41.3 23.8,45.9 35.7,45.9 36.6,46.8 36.6,52.6 31.6,57.6 31.6,72.7 39.9,81 45.7,81 v1(47.3,79.4) ; U1.22@47.921,73.414 47.921,75.321 48.3,75.7 v1(48.3,77.1)
  Bottom Layer w0.25: R8.1@10.5,39.45 11.25,39.45 11.7,39.9 11.7,41.4 12,41.7 15.2,41.7 15.8,42.3 17.6,42.3 v2(18.6,41.3) 18.6,39.8 pad.2@19.4,39 ; v1(47.3,79.4) 48.3,78.4 v1@48.3,76.825
MOSOUT1: T3.2 XT7.2 XT8.3 | length 47.3
  Top Layer w0.3: T3.2@25.5,38.5 25.508,38.492 T3.2@25.508,36.033 T3.2@24.558,36.033 T3.2@24.558,38.633 T3.2@25.508,38.633
  Top Layer w1: XT7.2@6.15,21.382 XT7.2@6.1,21.332 ; XT8.3@16.31,15.413 16.31,15.79 14.3,17.8 8.8,17.8 6.1,20.5 XT7.2@6.1,21.332 ; T3.2@24.8,35.891 24.8,35.2 22.5,32.9 22.5,31.3 16.7,25.5 8.9,25.5 6.1,22.7 XT7.2@6.1,21.332
MOSOUT2: T7.2 XT7.4 XT8.5 | length 36.9
  Top Layer w0.3: T7.2@24.558,28.413 T7.2@24.558,31.013 T7.2@25.508,31.013 T7.2@25.508,28.413
  Top Layer w1: XT8.5@21.39,15.413 21.39,15.91 19.8,17.5 17,17.5 15.2,19.3 12.4,19.3 11.23,20.47 XT7.4@11.23,21.382 11.5,21.652 11.5,22.7 12.6,23.8 19.3,23.8 23.9,28.4 25,28.4
MOSOUT3: T11.2 XT7.6 XT8.6 | length 34.9
  Top Layer w1: XT7.6@16.31,21.382 16.31,20.29 17.6,19 20.7,19 23.93,15.77 XT8.6@23.93,15.413
  Bottom Layer w0.25: T11.2@26.506,29.641 T11.2@26.506,28.691 ; T11.2@26.7,29.6 26.741,29.641 29.106,29.641 29.106,28.691 T11.2@26.506,28.691 ; T11.2@26.506,28.691 26.506,28.606 26.4,28.5 26.4,28.585 T11.2@26.506,28.691
  Bottom Layer w1: XT7.6@16.31,21.382 16.4,21.472 16.4,22.2 22.7,28.5 23.9,28.5 ; 23.6,28.5 26.4,28.5 T11.2@29.2,28.5
MOSOUT4: T15.2 XT4.2 XT7.8 XT8.8 | length 40.3
  Top Layer w0.3: T15.2@33.448,38.533 33.448,36.1 33.515,36.033 T15.2@34.398,36.033 T15.2@34.398,38.633 T15.2@33.448,38.633
  Top Layer w1: XT7.8@21.39,21.382 21.39,20.61 24.2,17.8 27.1,17.8 29.01,15.89 XT8.8@29.01,15.413 ; XT7.8@21.5,21.2 21.5,22.6 24.1,25.2 28.7,25.2 30.9,27.4 30.9,32.1 33.448,34.648 T15.2@33.448,36.1
MOSOUT5: T4.2 XT4.9 XT7.10 XT8.9 | length 27
  Top Layer w0.3: T4.2@33.448,28.413 T4.2@33.448,28.5 ; T4.2@33.448,28.5 T4.2@33.448,31.013 T4.2@34.398,31.013 T4.2@34.398,28.413 33.535,28.413 T4.2@33.448,28.5
  Top Layer w1: XT8.9@31.55,15.413 31.55,16.75 30.4,17.9 29.4,17.9 26.47,20.83 XT7.10@26.47,21.382 26.47,22.47 27.5,23.5 29.5,23.5 33.448,27.448 33.448,28.5 T4.2@33.448,28.513
  Bottom Layer w1: XT4.9@30.4,11.524 XT4.9@30.407,11.517
MOSOUT6: T8.2 XT4.5 XT7.12 XT8.11 | length 26.7
  Top Layer w1: XT7.12@31.55,21.382 31.55,20.15 33.9,17.8 35.4,17.8 36.63,16.57 XT8.11@36.63,15.413
  Bottom Layer w0.3: T8.2@34.5,29.6 34.5,28.707 T8.2@34.516,28.691 37.016,28.691 37.116,28.791 T8.2@37.116,29.641 T8.2@34.516,29.641
  Bottom Layer w1: XT7.12@31.55,21.382 31.55,22.75 34.5,25.7 34.5,28.2 34.991,28.691 T8.2@37.016,28.691
MOSOUT7: T12.2 XT4.6 XT7.14 XT8.12 | length 31.4
  Top Layer w0.3: T12.2@42.3,38.8 42.338,38.762 T12.2@42.338,38.633 ; T12.2@42.338,38.633 42.338,36.133 42.438,36.033 T12.2@43.288,36.033 T12.2@43.288,38.633 T12.2@42.338,38.633
  Top Layer w1: XT8.12@39.17,15.413 39.17,16.83 36.63,19.37 XT7.14@36.63,21.382 36.63,23.03 39.8,26.2 39.8,33.595 T12.2@42.338,36.133